# Altium PCB ESP32-PicoDK.PcbDoc
Units mm, origin at the board's own origin, x right, y up, seen from the top; angles counter-clockwise.
Board outline 52.83 x 24.26 mm, 2 copper layers (Top1, Bottom2), stack 1.021 mm thick; 56 components, 74 nets, 318 pads, 163 vias.
Unrouted connection lines stored in the file: 1.
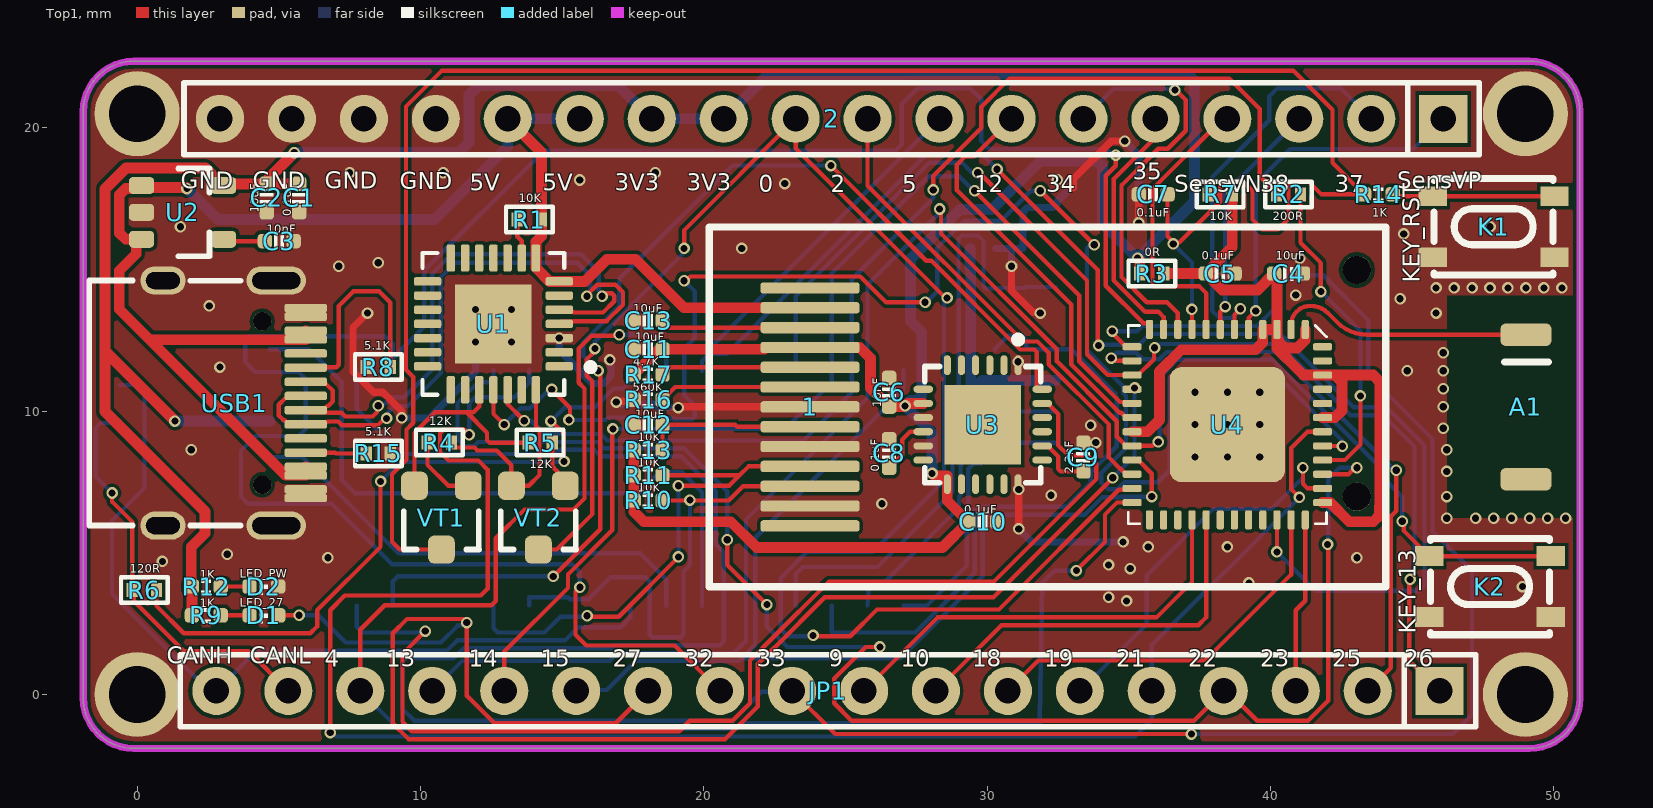
[diagram p0: Top1 view]
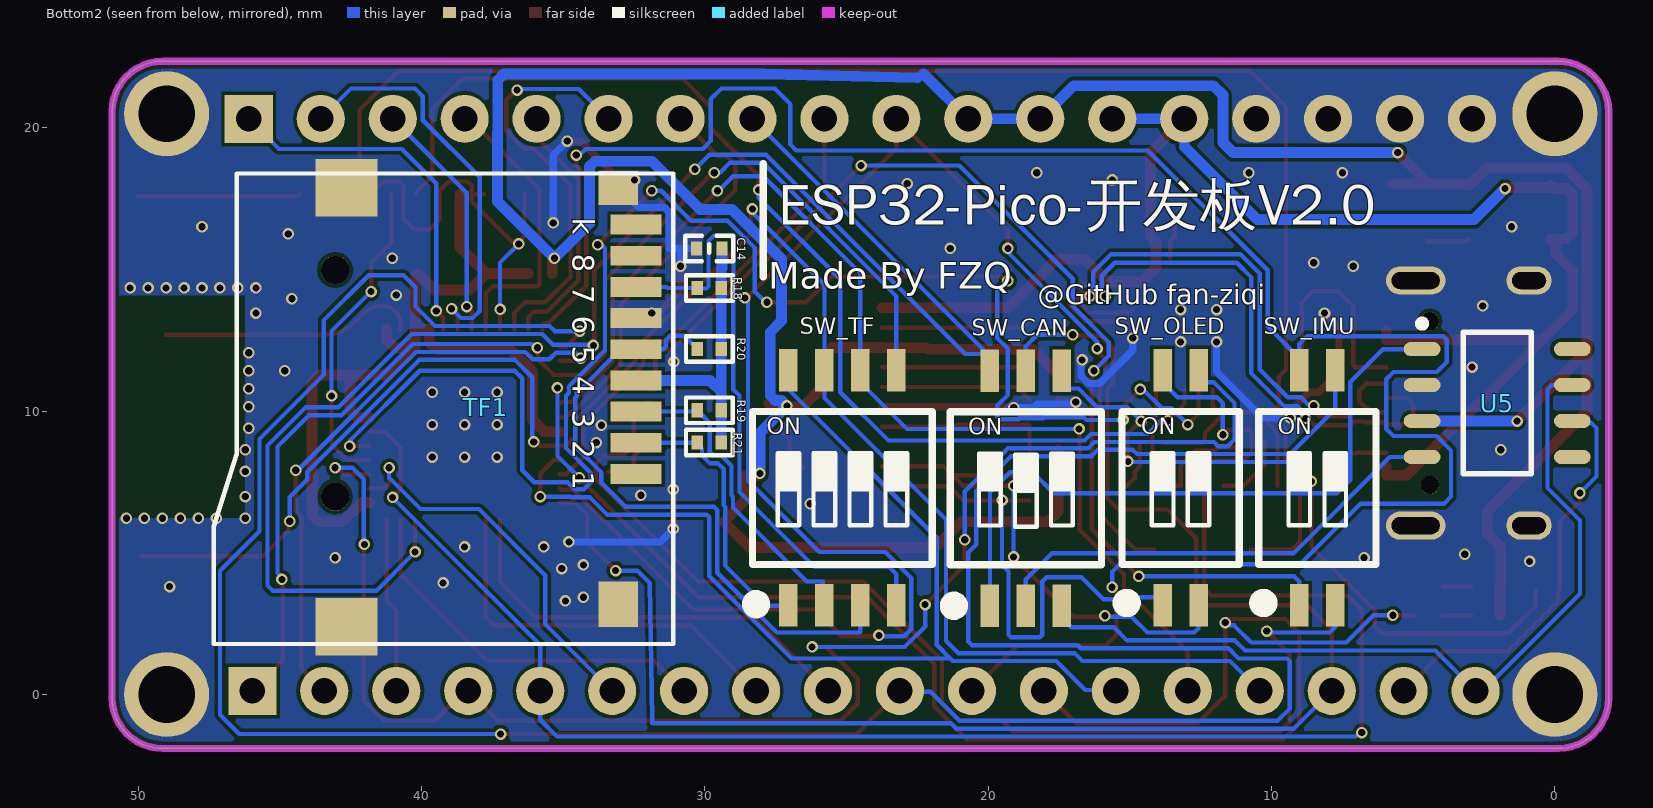
[diagram p1: Bottom2 view, seen from below]

## Layer stack, top to bottom
Top Solder: solder mask 0.0102, Solder Resist, Dk 3.5
Top1: signal copper 0.0356
Dielectric 1: core 0.95, FR-4, Dk 4.2
Bottom2: signal copper 0.0356
Bottom Solder: solder mask 0.0102, Solder Resist, Dk 3.5

## Board outline
-1.905,-0.127 ccw(c-0.127,-0.127) -0.127,-1.905 49.149,-1.905 ccw(c49.149,-0.127) 50.927,-0.127 50.927,20.574 ccw(c49.149,20.574) 49.149,22.352 -0.127,22.352 ccw(c-0.127,20.574) -1.905,20.574

## Design rules (kind name [scope] priority, off if disabled: settings)
Clearance [All] p1: gap=0.127 ignorepadtopadclearanceinfootprint=FALSE except(0.025: Arc-Text Track-Text SMDPad-Text THPad-Text Via-Text Fill-Text Poly-Text Region-Text Text-Text)
ComponentClearance [All] p1: gap=0 collisioncheckmode=3 verticalgap=0 showdistances=FALSE
DiffPairsRouting DiffPair_DiffPairsRouting [InDifferentialPair ('USB')] p1: maxlimit=0.254 minlimit=0.152 mostfreqgap=0.152 toplayer_minwidth=0.152 toplayer_maxwidth=0.152 toplayer_prefwidth=0.152 bottomlayer_minwidth=0.152 bottomlayer_maxwidth=0.152 bottomlayer_prefwidth=0.152 maxuncoupledlength=12.7
DiffPairsRouting [All] p2: maxlimit=0.254 minlimit=0.254 mostfreqgap=0.254 toplayer_minwidth=0.381 toplayer_maxwidth=0.381 toplayer_prefwidth=0.381 bottomlayer_minwidth=0.381 bottomlayer_maxwidth=0.381 bottomlayer_prefwidth=0.381 maxuncoupledlength=12.7
FanoutControl Fanout_BGA [All] p1: bgadir=Out bgaviamode=Centered fanoutstyle=Auto fanoutdirection=Alternating viagrid=0.025 // Fanout_BGA (Default Rule)
HoleSize [All] p1: absolutevalues=TRUE maxlimit=5.969 minlimit=0.203 maxpercent=80.000 minpercent=20.000
MatchedLengths DiffPair_MatchedLengths [InDifferentialPair ('USB')] p1: tolerance=25.4 checknetsindiffpair=FALSE checkdiffpairvsdiffpair=TRUE checkxsignals=TRUE checkothers=TRUE
MinimumSolderMaskSliver [All] p1 off: minsoldermaskwidth=0.051
PlaneClearance [All] p1: clearance=0.203
PlaneConnect [All] p1: planeconnectstyle=Direct reliefexpansion=0.508 reliefentries=4 reliefconductorwidth=0.254 reliefairgap=0.254
PolygonConnect [All] p1: connectstyle=Direct reliefconductorwidth=0.254 reliefentries=4 polygonreliefangle="90 Angle" airgapwidth=0.254
RoutingVias [All] p1: holewidth=0.203 width=0.406 viastyle="Through Hole" minholewidth=0.152 minwidth=0.305 maxholewidth=0.711 maxwidth=1.27 useviatemplates=TRUE viatemplateguid#1={AD7DADC4-AC3D-42B7-A5B9-3E2BE8C250ED} viatemplatename#1=v41h25m0mx0
SMDNeckDown [All] p1: percent=10000.000
SilkToBoardRegionClearance [All] p1 off:
SilkToSilkClearance [All] p1: silktosilkclearance=0
SilkToSolderMaskClearance [IsPad] p1: minsilkscreentomaskgap=0 clearancetoexposedcopper=TRUE
SolderMaskExpansion [All] p1: expansion=0.076 istentingtop=FALSE
Width VVV [InNetClass('VVV')] p1: maxlimit=0.381 minlimit=0.381 preferedwidth=0.381
Width [InNetClass('BuXian')] p2: maxlimit=0.152 minlimit=0.152 preferedwidth=0.152
20 further rules are at their usual default settings.

## Classes and differential pairs
net class BuXian: CAN_H CAN_L CAN_Rx CAN_Tx CP_Rx CP_Tx DTR EN FLASH_CLK FLASH_CS FLASH_SD0 FLASH_SD1 FLASH_SD2 FLASH_SD3 GPIO0 GPIO2 GPIO4 GPIO5 GPIO9 GPIO10 GPIO12 GPIO13 GPIO14 GPIO15 GPIO18 GPIO19 GPIO21 GPIO22 GPIO23 GPIO25 GPIO26 GPIO27 GPIO32 GPIO33 GPIO34 GPIO35 GPIO37 GPIO38 MPU_SCL MPU_SDA Net1_3 Net1_5 Net1_6 Net1_8 NetA1_1 NetC3_2 NetC8_1 NetC9_2 NetD1_1 NetD2_1 NetK1_2 NetR1_1 NetR2_1 NetR4_1 NetR5_1 NetR6_1 NetR8_2 NetR15_2 OLED_SCL OLED_SDA RTS SD_CLK SD_CS SD_MISO SD_MOSI SENSOR_VN SENSOR_VP USB-PWR-DM USB-PWR-DP
net class VVV: 3V3 3V3A VBUS VCC_3V3
differential pair USB: +USB-PWR-DP -USB-PWR-DM

## Components (designator, comment, footprint, x,y, rotation, side; value= is the part's Value field where it differs from the comment)
1 "OLED-12880" OLED-12880 23.749,10.151 r180 top
2 "HDR-1X18" HDR2.54-LI-18P 24.511,20.32 r180 top
A1 "RAINSUN" ANT-Rainsun-AN5120 49.022,10.16 r270 top
C1 "0.1uF" CAP_0402 5.715,17.526 r90 top value=0.1u
C2 "10uF" CAP_0402 4.572,17.526 r90 top value=0.1u
C3 "10nF" CAP_0402 5.012,16.002 r180 top value=0.1u
C4 "10uF" CAP_0402 40.64,14.859 r180 top value=0.1u
C5 "0.1uF" CAP_0402 38.227,14.859 r180 top value=0.1u
C6 "10nF" CAP_0402 26.543,10.668 r90 top value=0.1u
C7 "0.1uF" CAP_0402 35.862,17.653 r180 top value=0.1u
C8 "0.1uF" CAP_0402 26.543,8.509 r90 top value=0.1u
C9 "2.2nF" CAP_0402 33.401,8.382 r270 top value=0.1u
C10 "0.1uF" CAP_0402 29.845,6.096 r180 top value=0.1u
C11 "10uF" CAP_0402 18.034,12.183 r0 top value=0.1u
C12 "10uF" CAP_0402 18.034,9.516 r0 top value=0.1u
C13 "10uF" CAP_0402 18.034,13.199 r0 top value=0.1u
C14 "100nf" C0402_L 29.845,15.748 r180 bottom
D1 "LED_27" LED_0402_RED 4.47,2.794 r0 top value=color?
D2 "LED_PW" LED_0402_RED 4.47,3.81 r0 top value=color?
JP1 "HDR-1X18" HDR2.54-LI-18P 24.384,0.127 r180 top
K1 "TACT 4P" SW-SMD_4P-L4.2-W3.3-P2.15-LS5.1 47.879,16.51 r180 top value=3.4x3.5
K2 "TACT 4P" SW-SMD_4P-L4.2-W3.3-P2.15-LS5.1 47.752,3.81 r180 top value=3.4x3.5
R1 "10K" R0402_L 13.843,16.764 r0 top
R2 "200R" R0402_L 40.64,17.653 r0 top
R3 "0R" R0402_L 35.814,14.859 r0 top
R4 "12K" R0402_L 10.668,8.89 r0 top
R5 "12K" R0402_L 14.224,8.89 r180 top
R6 "120R" R0402_L 0.254,3.683 r180 top
R7 "10K" R0402_L 38.227,17.653 r0 top
R8 "5.1K" R0402_L 8.509,11.557 r0 top
R9 "1K" RES_0402 2.438,2.794 r0 top value=22R
R10 "10K" RES_0402 18.034,6.849 r180 top value=22R
R11 "10K" RES_0402 18.034,7.738 r180 top value=22R
R12 "1K" RES_0402 2.438,3.81 r0 top value=22R
R13 "10K" RES_0402 18.034,8.627 r180 top value=22R
R14 "1K" RES_0402 43.815,17.653 r180 top value=22R
R15 "5.1K" R0402_L 8.509,8.509 r180 top
R16 "560K" RES_0402 18.034,10.405 r180 top value=22R
R17 "4.7K" RES_0402 18.034,11.294 r180 top value=22R
R18 "10K" R0402_L 29.845,14.351 r180 bottom
R19 "10K" R0402_L 29.845,10.033 r180 bottom
R20 "10K" R0402_L 29.845,12.192 r180 bottom
R21 "10K" R0402_L 29.845,8.89 r180 bottom
SW_CAN "SW-3P" "SW1.27 SMD-3P" 18.669,7.28 r180 bottom
SW_IMU "SW-2P" "SW1.27 SMD-2P" 8.382,7.292 r180 bottom
SW_OLED "SW-2P" "SW1.27 SMD-2P" 13.208,7.292 r180 bottom
SW_TF "SW-4P" "SW1.27 SMD-4P" 25.146,7.292 r180 bottom
TF1 "TF_Card" "Micro SD" 43.053,10.986 r270 bottom
U1 "CP2102" QFN-28 12.573,13.081 r180 top value=Value
U2 "LP2992 3V3" SOT23-5 1.651,17.018 r0 top
U3 "MPU6050" QFN-24 29.845,9.525 r270 top
U4 "ESP32_SIP" QFN-48_7X7 38.481,9.525 r270 top
U5 "SN65HVD232D" SO-8 2.032,10.287 r180 bottom
USB1 "Type-C" Type-C-TOP 3.429,10.287 r180 top
VT1 "S8050" SMT_TRIODE_NPN 10.734,6.241 r180 top
VT2 "S8050" SMT_TRIODE_NPN 14.158,6.241 r180 top

## Footprints (in the part's own frame and the unit in brackets; to place one, negate y for a bottom-side part, rotate by r counter-clockwise, add the part's x,y. Pads: shape width x height; smd on the part's side, far side on the other; paste and mask are expansions set on the pad)
ANT-Rainsun-AN5120 [mm] "选择焊盘"
  rrect50% 0.8x1.8 smd: 1(-2.54,0) ""(2.563,0)
  silkscreen extent -1.57,-0.76 -1.57,0.79, body extent -2.57,-0.91 2.54,0.94, height 1.32
C0402_L [mm] "无极性贴片电容"
  rect 0.4x0.5 smd: 1(-0.45,0) 2(0.45,0)
  silkscreen extent -0.85,-0.45 0.85,0.45, body extent -0.5,-0.26 0.5,0.26, height 0.54
CAP_0402 [mil]
  rrect50% 20x20 smd: 1(-20,0) 2(20,0)
  silkscreen extent -7,-9 7,9, body extent -20,-10 20,10, height 20
HDR2.54-LI-18P [mm] "排针，18脚"
  rect 1.7x1.7 hole 0.9: 1(-21.59,0)
  round 1.7 hole 0.9: 2(-19.05,0) 3(-16.51,0) 4(-13.97,0) 5(-11.43,0) 6(-8.89,0) 7(-6.35,0) 8(-3.81,0) 9(-1.27,0) 10(1.27,0) 11(3.81,0) 12(6.35,0) 13(8.89,0) 14(11.43,0) 15(13.97,0) 16(16.51,0) 17(19.05,0) 18(21.59,0)
  silkscreen extent -22.86,-1.27 22.86,1.27, body extent -22.86,-1.27 22.86,1.27, height 2.54
LED_0402_RED [mil]
  rrect50% 20x20 smd: 1(-20,0) 2(20,0)
  silkscreen extent -6,-11 6,10, body extent -20,-10 20,10, height 18
"Micro SD" [mm] "淘宝ID:黄晶宝石"
  round 1 hole 1 unplated: 0(-4,0) 0(4,0)
  rect 0.7x1.8 smd: 1(3.2,10.627) 2(2.1,10.627) 3(1,10.627) 4(-0.1,10.627) 5(-1.2,10.627) 6(-2.3,10.627) 7(-3.4,10.627) 8(-4.5,10.627) 9(-5.6,10.627)
  rect 2.032x2.2 smd: 10(-6.9,0.4) 10(8.6,0.4)
  rect 1.2x1.4 smd: 10(-6.9,10)
  rect 1.6x1.4 smd: 10(7.8,10)
  silkscreen extent -7.4,-4.28 9.2,11.94, body extent -7.05,-3.87 8.95,11.38, height 2
OLED-12880 [mm]
  rrect50% 3.5x0.4 smd: 1(0,-4.2) 2(0,-3.5) 3(0,-2.8) 4(0,-2.1) 5(0,-1.4) 6(0,-0.7) 7(0,0) 8(0,0.7) 9(0,1.4) 10(0,2.1) 11(0,2.8) 12(0,3.5) 13(0,4.2)
  silkscreen extent -20.32,-6.35 3.56,6.35, body extent -20.18,-6.25 7.54,6.25, height 1.55
QFN-24 [mm] "QFN, 24-Leads, Body 4.1x4.1mm (max), Pitch 0.50mm, IPC Low Density"
  oval 0.7x0.25 smd: 1(-2.1,1.25) 2(-2.1,0.75) 3(-2.1,0.25) 4(-2.1,-0.25) 5(-2.1,-0.75) 6(-2.1,-1.25) 13(2.1,-1.25) 14(2.1,-0.75) 15(2.1,-0.25) 16(2.1,0.25) 17(2.1,0.75) 18(2.1,1.25)
  oval 0.25x0.7 smd: 7(-1.25,-2.1) 8(-0.75,-2.1) 9(-0.25,-2.1) 10(0.25,-2.1) 11(0.75,-2.1) 12(1.25,-2.1) 19(1.25,2.1) 20(0.75,2.1) 21(0.25,2.1) 22(-0.25,2.1) 23(-0.75,2.1) 24(-1.25,2.1)
  rect 2.8x2.7 smd: ""(0,0)
  silkscreen extent -3.12,-2.05 2.05,2.05, body extent -2.02,-2.02 2.02,2.02, height 0.95
QFN-28 [mil]
  rrect50% 38x12 smd mask+5: 1(-91.5,59.05) 2(-91.5,39.37) 3(-91.5,19.68) 4(-91.5,0) 5(-91.5,-19.69) 6(-91.5,-39.37) 7(-91.5,-59.06) 15(91.5,-59.06) 16(91.5,-39.37) 17(91.5,-19.69) 18(91.5,0) 19(91.5,19.68) 20(91.5,39.37) 21(91.5,59.05)
  rrect50% 12x38 smd mask+5: 8(-59.05,-91.5) 9(-39.37,-91.5) 10(-19.68,-91.5) 11(0,-91.5) 12(19.69,-91.5) 13(39.37,-91.5) 14(59.06,-91.5) 22(59.06,91.5) 23(39.37,91.5) 24(19.69,91.5) 25(0,91.5) 26(-19.68,91.5) 27(-39.37,91.5) 28(-59.05,91.5)
  rect 106.3x110.24 smd: 29(0,0)
  silkscreen extent -140,-98 99,99, body extent -99,-99 98,98, height 35
QFN-48_7X7 [mm]
  rrect50% 0.675x0.25 smd: 1(-3.362,2.75) 2(-3.362,2.25) 3(-3.362,1.75) 4(-3.362,1.25) 5(-3.362,0.75) 6(-3.362,0.25) 7(-3.362,-0.25) 8(-3.362,-0.75) 9(-3.362,-1.25) 10(-3.362,-1.75) 11(-3.362,-2.25) 12(-3.362,-2.75) 25(3.363,-2.75) 26(3.363,-2.25) 27(3.363,-1.75) 28(3.363,-1.25) 29(3.363,-0.75) 30(3.363,-0.25) 31(3.363,0.25) 32(3.363,0.75) 33(3.363,1.25) 34(3.363,1.75) 35(3.363,2.25) 36(3.363,2.75)
  rrect50% 0.25x0.675 smd: 13(-2.75,-3.362) 14(-2.25,-3.362) 15(-1.75,-3.362) 16(-1.25,-3.362) 17(-0.75,-3.362) 18(-0.25,-3.362) 19(0.25,-3.362) 20(0.75,-3.362) 21(1.25,-3.362) 22(1.75,-3.362) 23(2.25,-3.362) 24(2.75,-3.362) 37(2.75,3.363) 38(2.25,3.363) 39(1.75,3.363) 40(1.25,3.363) 41(0.75,3.363) 42(0.25,3.363) 43(-0.25,3.363) 44(-0.75,3.363) 45(-1.25,3.363) 46(-1.75,3.363) 47(-2.25,3.363) 48(-2.75,3.363)
  rrect20% 4.064x4.064 smd: 49(0,0)
  silkscreen extent -3.5,-3.5 3.5,3.5, body extent -3.5,-3.5 3.5,3.5, height 1
R0402_L [mm] "1/16W贴片电阻"
  rect 0.4x0.5 smd: 1(-0.425,0) 2(0.425,0)
  silkscreen extent -0.83,-0.45 0.83,0.45, body extent -0.5,-0.25 0.5,0.25, height 0.3
RES_0402 [mil]
  rrect50% 20x20 smd: 1(-20,0) 2(20,0)
  silkscreen extent -6,-10 7,10, body extent -20,-10 20,10, height 14
SMT_TRIODE_NPN [mm] "Surface mount NPN transistor, package SOT-23"
  rrect50% 0.95x1 smd: 1(-0.95,-1.125) 2(0.95,-1.125) 3(0,1.125)
  silkscreen extent -1.33,-0.22 1.32,1.13, body extent -1.45,-1.4 1.45,1.4, height 1.3
SO-8 [mm]
  oval 1.3x0.5 smd: 1(-2.65,1.905) 2(-2.65,0.635) 3(-2.65,-0.635) 4(-2.65,-1.905) 5(2.65,-1.905) 6(2.65,-0.635) 7(2.65,0.635) 8(2.65,1.905)
  silkscreen extent -2.78,-2.5 1.2,2.93, body extent -2.89,-2.44 2.89,2.46, height 1.45
SOT23-5 [mm] "SOT23, 3-Leads, Body 3.1x3.0mm (max), Pitch 0.95mm, IPC Medium Density"
  rrect50% 0.889x0.6 smd: 1(-1.5,0.95) 2(-1.5,0) 3(-1.5,-0.95) 4(1.396,-0.95) 5(1.396,0.95)
  silkscreen extent -0.2,-1.55 0.9,1.55, body extent -1.48,-1.45 1.32,1.45, height 1.2
"SW1.27 SMD-2P" [mm] "长：4.14mm，宽：5.4mm，高：2.3mm"
  rect 0.65x1.5 smd: 1(-0.635,-4.15) 2(0.635,-4.15) 3(0.635,4.15) 4(-0.635,4.15)
  silkscreen extent -2.15,-4.31 2.07,2.7, body extent -2.07,-4.35 2.07,4.35, height 2.35
"SW1.27 SMD-3P" [mm] "长：5.41mm，宽：5.4mm，高：2.3mm           淘宝ID:黄晶宝石"
  rect 0.65x1.5 smd: 1(-1.27,-4.15) 2(0,-4.15) 3(1.27,-4.15) 4(1.27,4.15) 5(0,4.15) 6(-1.27,4.15)
  silkscreen extent -2.79,-4.4 2.67,2.7, body extent -2.71,-4.35 2.7,4.35, height 2.35
"SW1.27 SMD-4P" [mm] "长：6.68mm，宽：5.4mm，高：2.3mm"
  rect 0.65x1.5 smd: 1(-1.905,-4.15) 2(-0.635,-4.15) 3(0.635,-4.15) 4(1.905,-4.15) 5(1.905,4.15) 6(0.635,4.15) 7(-0.635,4.15) 8(-1.905,4.15)
  silkscreen extent -3.3,-4.35 3.17,2.7, body extent -3.34,-4.35 3.34,4.35, height 2.35
SW-SMD_4P-L4.2-W3.3-P2.15-LS5.1 [mm]
  rect 1x0.7 smd: 1(-2.15,1.075) 2(2.15,1.075) 3(-2.15,-1.075) 4(2.15,-1.075)
  silkscreen extent -2.1,-1.7 2.1,1.7
Type-C-TOP [mm]
  round 0.65 hole 0.65: 0(-0.98,2.89) 0(-0.98,-2.89)
  oval 1.6x1 hole 0.6 slot 1.2 at 0 deg: 1(2.52,4.325) 2(2.52,-4.325)
  oval 2.1x1 hole 0.6 slot 1.7 at 0 deg: 3(-1.48,-4.325) 4(-1.48,4.325)
  rrect50% 1.5x0.3 smd: A1(-2.52,-3.35) A4(-2.52,-2.55) A5(-2.52,-1.25) A6(-2.52,-0.25) A7(-2.52,0.25) A8(-2.52,1.25) A9(-2.52,2.55) A12(-2.52,3.35) B1(-2.52,3.05) B4(-2.52,2.25) B5(-2.52,1.75) B6(-2.52,0.75) B7(-2.52,-0.75) B8(-2.52,-1.75) B9(-2.52,-2.25) B12(-2.52,-3.05)
  silkscreen extent -0.22,-4.32 5.12,4.32, body extent -2.57,-4.48 5.18,4.48, height 3.26

## Part data
2 JP1: library part "Header 18", "18P接插件", BOM名称=18P接插件, 封装库来自淘宝卖家 ID：黄晶宝石=其他店铺购入均为盗版假冒封装库, 联系卖家，免费查找封装=唯一出售店铺网址https://shop463601444.taobao.com
A1: library part ANT-Rainsun-AP5120
C1 C2 C3 C4 C5 C6 C7 C8 C9 C10 C11 C12 C13: library part 电容-0402, "Capacitor"
C14: library part C, "Capacitor", BOM名称=无极性贴片电容, 封装库来自淘宝卖家ID：黄晶宝石=其他店铺购入均为盗版假冒封装库，请立即申请退款, 联系卖家，免费查找封装=唯一出售店铺网址https://shop463601444.taobao.com
D1 D2: library part LED_0402, "LED", Type=0402
K1 K2: library part ButtonTACT, "Button", Type="TACT 4P"
R1 R2 R3 R4 R5 R6 R7 R8 R15 R18 R19 R20 R21: library part R, "贴片电阻", BOM名称=贴片电阻, 封装库来自淘宝卖家ID：黄晶宝石=其他店铺购入均为盗版假冒封装库，请立即申请退款, 联系卖家，免费查找封装=唯一出售店铺网址https://shop463601444.taobao.com
R9 R10 R11 R12 R13 R14 R16 R17: library part 电阻-0402, "Resistor"
SW_CAN: "3路编码开关", BOM名称=3路编码开关, 联系卖家，免费查找封装=唯一出售店铺网址https://shop463601444.taobao.com
SW_IMU SW_OLED: "2路编码开关", BOM名称=2路编码开关, 联系卖家，免费查找封装=唯一出售店铺网址https://shop463601444.taobao.com
SW_TF: "4路编码开关", BOM名称=4路编码开关, 联系卖家，免费查找封装=唯一出售店铺网址https://shop463601444.taobao.com
TF1: "TF卡座", BOM名称=TF卡座, 联系卖家，免费技术支持=唯一出售店铺网址https://shop463601444.taobao.com
U1: "USB转TTL", MFG #1="SILICON LABS", PART DESC="SINGLE-CHIP USB TO UART BRIDGE, QFN28, RoHS.", PART NUMBER=CP2102, RefDes=RefDes, Type=DEV
U2: library part LP2992, "LDO"
U3: "六轴传感器"
U4: library part ESP32-PICO
U5: Manufacturer="Texas Instruments", Manufacturer Part Number=SN65HVD232DR, Operating Temperature="-40°C ~ 85°C", Package / Case="8-SOIC (0.154\", 3.90mm Width)", Supplier Device Package=8-SOIC, Supplier Part Number 1=296-26344-2-ND, Voltage - Supply="3 V ~ 3.6 V", Category="Integrated Circuits (ICs)", ComponentLink1Description=http://www.ti.com/lit/ds/symlink/sn65hvd230.pdf, ComponentLink1URL=http://www.ti.com/lit/ds/symlink/sn65hvd230.pdf, Data Rate=1Mbps, Duplex=Half, Mounting Type="Surface Mount", Number of Drivers/Receivers=1/1, Packaging="Tape & Reel (TR)", Part Status=Active, Pricing 1="2500=0.84375 (USD)", Pricing 2="1=2.05, 10=1.842, 100=1.4809, 500=1.21668, 1000=1.00811 (USD)", Protocol=CAN, RoHS="RoHS Compliant", Stock=5000, Supplier 1=Digi-Key, Supplier 2=Digi-Key, Supplier Part Number 2=296-26344-1-ND, Type=Transceiver
USB1: library part USB-Type-C-TOP
VT1 VT2: library part SMT_TRIODE_NPN, "Surface mount NPN transistor, package SOT-23"

## Free pads (board coordinates)
  round 3 hole 2: ""(0,0) ""(0,20.5) ""(49,0) ""(49,20.5)

## Via types
v1: diameter 0.406, hole 0.254, Top1 to Bottom2, tented both sides, 163 vias

## Nets (pads, with @x,y where several pads share a name; then routed paths per layer and width w, separated by ;. In a path a pad name is that pad's centre, name@x,y a point inside that pad or via, vN(x,y) a via of type N, cw(c..) or ccw(c..) an arc to the next point about the centre after c; other vN are vias at no path point)
3V3: C14.2 R18.2 R19.2 R20.2 R21.2 TF1.4 | length 10
  Bottom2 w0.381: C14.2 29.395,15.039 29.42,15.014 R18.2 R20.2 29.42,10.683 ; R21.2 R19.2 29.42,10.683 ; TF1.4 29.823,11.086 29.42,10.683
3V3A: C4.2 C5.2 R3.2 R7.2 U4.1 U4.3 U4.4 U4.19 U4.37 U4.43 U4.46 | length 33.2
  Top1 w0.381: U4.19 35.666,9.275 36.084,9.693 36.084,11.403 36.851,12.17 39.475,12.17 39.731,12.426 U4.4 U4.3 ; R3.2 C5.2 ; R7.2 38.652,15.792 C5.2 ; U4.3@40.231,12.572 40.288,12.514 40.288,12.455 40.511,12.232 40.951,12.232 41.231,12.513 U4.1 ; U4.37 42.108,6.775 42.787,6.096 43.63,6.096 43.853,6.319 43.853,6.63 43.871,6.647 43.871,11.034 43.63,11.275 42.269,11.275 ; U4.43 42.269,9.775 42.523,10.029 42.523,11.021 42.269,11.275 ; C5.2 38.3,14.278 39.551,14.278 C4.2 40.196,14.795 40.196,14.631 40.231,14.596 U4.3 ; U4.3 40.231,12.218 41.021,11.427 41.174,11.275 U4.46 42.269,11.275
CAN_H: JP1.18 SW_CAN.3 U5.7 | length 29.8
  Bottom2 w0.152: U5.7 0.105,10.922 0.257,10.77 0.257,7.293 -0.889,6.147 -0.889,3.556 2.54,0.127 JP1.18 4.217,1.55 10.937,1.55 11.296,1.91 15.098,1.91 15.563,2.375 17.069,2.375 17.399,2.705 SW_CAN.3
CAN_L: JP1.17 R6.2 U5.6 | length 14.4
  Top1 w0.152: v1(-0.889,7.112) -0.889,6.809 -0.171,6.091 R6.2 -0.119,3.631 -0.119,3.294 1.651,1.524 3.937,1.524 JP1.17
  Bottom2 w0.152: v1(-0.889,7.112) -1.471,7.694 -1.471,9.406 -1.292,9.585 -0.685,9.585 U5.6
CAN_Rx: SW_CAN.2 U5.4 | length 16.7
  Bottom2 w0.152: U5.4 5.823,8.382 9.223,4.981 17.758,4.981 18.669,4.07 SW_CAN.2
CAN_Tx: SW_CAN.1 U5.1 | length 24
  Bottom2 w0.152: U5.1 6.051,12.192 7.217,11.027 7.217,7.572 7.685,7.104 17.683,7.104 18.418,7.839 19.238,7.839 19.939,7.138 SW_CAN.1
CP_Rx: U1.25 U4.41 | length 56.7
  Top1 w0.152: U1.25 12.573,9.906 v1(12.954,9.525) ; v1(14.633,10.767) 15.278,10.122 15.278,9.731 v1(15.237,9.69) ; v1(19.304,14.605) 19.373,14.605 19.522,14.754 25.525,14.754 26.436,13.843 v1(27.813,13.843) ; v1(31.877,17.78) v1(33.782,15.875) ; U4.41 41.85,8.769 42.539,8.769 v1(42.545,8.763)
  Bottom2 w0.152: v1(12.954,9.525) 13.537,10.108 13.871,10.108 14.53,10.767 v1(14.633,10.767) ; v1(15.237,9.69) 16.532,9.69 16.621,9.779 18.034,9.779 18.059,9.754 18.898,9.754 18.932,9.72 19.596,9.72 19.685,9.809 19.685,10.194 19.304,10.575 19.304,12.202 19.685,12.583 19.685,14.224 v1(19.304,14.605) ; v1(27.813,13.843) 27.861,13.843 28.235,14.218 28.235,15.759 29.202,16.726 30.49,16.726 31.544,17.78 v1(31.877,17.78) ; v1(33.782,15.875) 33.655,15.875 33.529,15.749 33.529,12.151 34.798,10.882 34.798,10.651 34.906,10.543 34.906,8.696 34.031,7.821 34.031,7.485 34.269,7.246 34.606,7.246 34.852,7.493 36.025,7.493 36.449,7.917 36.449,11.162 36.717,11.43 40.066,11.43 42.496,8.999 42.496,8.812 v1(42.545,8.763)
CP_Tx: R2.2 U4.40 | length 11.3
  Top1 w0.152: R2.2 41.065,15.944 41.783,15.226 v1(41.783,14.224) ; U4.40 42.632,8.275 43.18,8.823 v1(43.18,10.541)
  Bottom2 w0.152: v1(41.783,14.224) 43.18,12.827 v1(43.18,10.541)
DTR: R4.2 U1.28 VT2.2 | length 7.4
  Top1 w0.152: R4.2 11.093,8.84 11.217,8.716 11.902,8.716 12.007,8.611 12.692,8.611 13.208,8.095 VT2.2 13.821,7.366 14.202,7.747 14.202,9.35 14.073,9.479 U1.28
EN: C7.1 R7.1 R14.2 U4.9 VT1.3 | length 71.3
  Top1 w0.152: VT1.3 9.267,5.116 8.995,5.388 8.995,7.775 9.505,8.285 9.505,9.354 9.744,9.593 9.744,11.209 9.488,11.464 9.488,20.756 10.753,22.022 40.809,22.022 42.193,20.638 42.193,18.767 R14.2 41.802,17.653 41.349,18.106 40.781,18.106 40.64,17.965 40.64,16.795 40.259,16.414 39.72,16.414 39.37,16.764 39.37,17.78 39.044,18.106 38.368,18.106 38.227,17.965 38.227,17.653 ; C7.1 36.37,16.175 36.573,15.972 v1(36.573,15.903) 36.622,15.952 36.78,15.952 38.227,17.399 38.227,17.653 ; U4.9 v1(37.231,13.592) ; R7.1 38.227,17.653
  Bottom2 w0.152: v1(36.573,15.903) 37.231,15.245 v1(37.231,13.592)
FLASH_CLK: U4.31
FLASH_CS: U4.25
FLASH_SD0: U4.27
FLASH_SD1: U4.33
FLASH_SD2: U4.30
FLASH_SD3: U4.32
GND: 1.7 1.9 1.12 2.15 2.16 2.17 2.18 C1.1 C2.1 C3.1 C4.1 C5.1 C6.2 C7.2 C8.2 C9.1 C10.1 C11.1 C12.1 C13.1 C14.1 D2.2 K1.1 K1.2 K2.1 K2.2 pad. R8.1 R15.1 R16.2 TF1.6 TF1.10 U1.3 U1.29 U2.2 U3.1 U3.9 U3.11 U3.18 U4.49 U5.2 USB1.1 USB1.2 USB1.3 USB1.4 USB1.A1 USB1.A12 USB1.B1 USB1.B12 | length 40.3
  Top1 w0.254: 7.769,11.242 8.343,10.668 ; v1(8.128,13.462) 7.62,12.954 7.62,11.391 8.343,10.668 ; v1(9.337,9.761) 9.337,10.008 8.677,10.668 8.343,10.668 ; v1(16.909,10.321) 16.938,10.35 17.472,10.35 R16.2 ; v1(19.1,10.126) 19.13,10.155 19.299,10.155 19.304,10.16 23.749,10.16 1.7 ; v1(30.861,15.113) 30.861,14.251 31.621,13.491 31.848,13.491 v1(31.877,13.462) ; v1(31.115,5.846) v1(31.115,7.239) ; 33.053,17.886 33.053,18.201 34.384,19.533 v1(34.86,19.533) ; v1(35.352,16.648) 35.352,17.65 C7.2
  Bottom2 w0.254: v1(9.337,9.761) 10.31,9.761 11.938,11.389 v1(11.938,12.446) ; v1(14.897,12.581) 14.897,12.155 16.079,10.973 16.458,10.973 16.726,11.241 16.726,11.619 16.717,11.628 16.717,11.782 v1(16.688,11.811) ; v1(16.909,10.321) 16.938,10.292 17.046,10.292 17.085,10.252 18.265,10.252 18.391,10.126 v1(19.1,10.126) ; C14.1 30.861,15.748 ; v1(30.861,15.113) 30.861,15.748 ; v1(31.115,5.846) 31.576,5.385 v1(34.798,5.385) ; TF1.10@33.053,17.886 32.953,17.886 32.48,17.413 32.48,17.339 32.331,17.19 31.421,17.19 31.272,17.041 31.272,15.748 30.861,15.748 ; v1(34.86,19.533) 35.352,19.041 v1(35.352,16.648)
  other v1: 34.925,3.302 34.29,3.429 48.895,3.81 39.243,3.937 35.052,4.445 34.29,4.572 0.889,4.699 6.731,4.826 43.053,4.826 3.175,4.953 35.687,5.207 38.481,5.207 46.228,6.223 47.244,6.223 47.879,6.223 48.514,6.223 49.149,6.223 49.784,6.223 50.419,6.223 26.289,6.731 46.228,6.985 32.258,7.036 46.228,7.874 37.338,8.382 38.481,8.382 39.624,8.382 1.905,8.636 46.228,8.636 33.833,8.89 46.101,9.398 33.651,9.506 37.338,9.525 38.481,9.525 39.624,9.525 46.101,10.16 37.338,10.668 38.481,10.668 39.624,10.668 46.101,10.795 44.831,11.43 46.101,11.43 2.921,11.557 31.095,11.742 46.101,12.065 13.208,12.446 45.847,13.462 11.938,13.589 13.208,13.589 2.54,13.716 44.577,13.97 40.894,14.097 45.847,14.351 46.482,14.351 47.117,14.351 47.752,14.351 48.387,14.351 49.022,14.351 49.657,14.351 50.292,14.351 7.112,15.113 8.509,15.24 41.035,15.399 21.336,15.748 44.704,16.256 1.524,16.51 47.752,16.51 22.86,18.034 15.621,18.161 32.48,18.161 7.493,18.415 10.795,18.415 18.288,18.415